# Altium PCB St1x.PcbDoc
Units mil, origin at the board's own origin, x right, y up, seen from the top; angles counter-clockwise.
Board outline 3429.13 x 452.76 mil, 4 copper layers (Top Layer 1, Mid 1, Mid 2, Bottom Layer 1), stack 38.573 mil thick; 83 components, 57 nets, 283 pads, 205 vias.
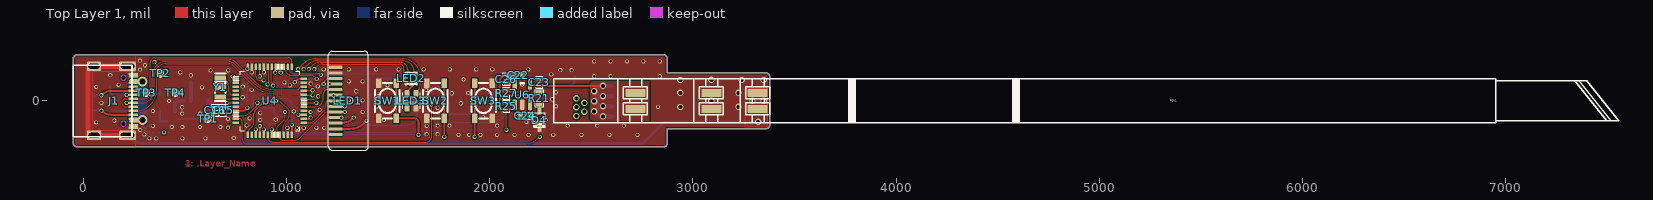
[diagram p0: Top Layer 1 view]
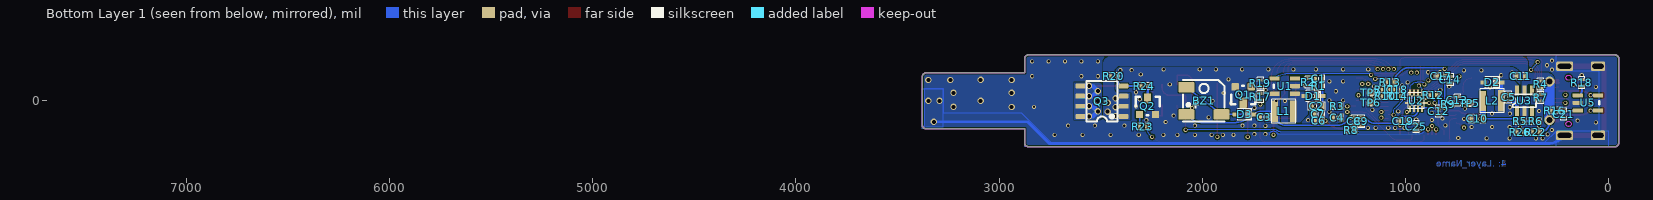
[diagram p1: Bottom Layer 1 view, seen from below]
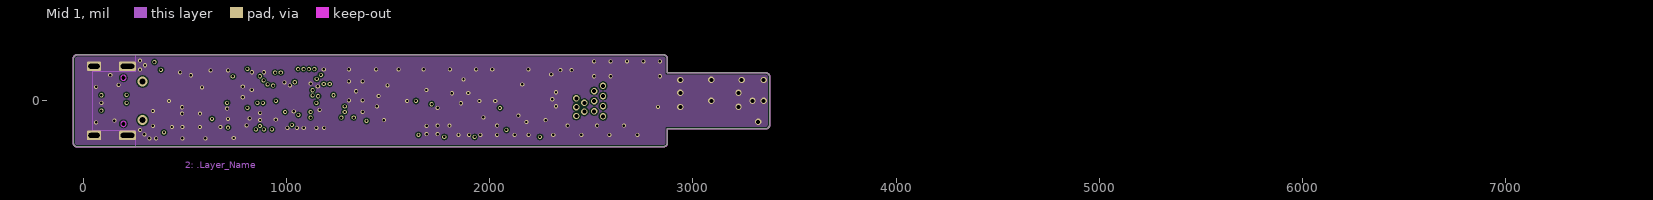
[diagram p2: Mid 1]
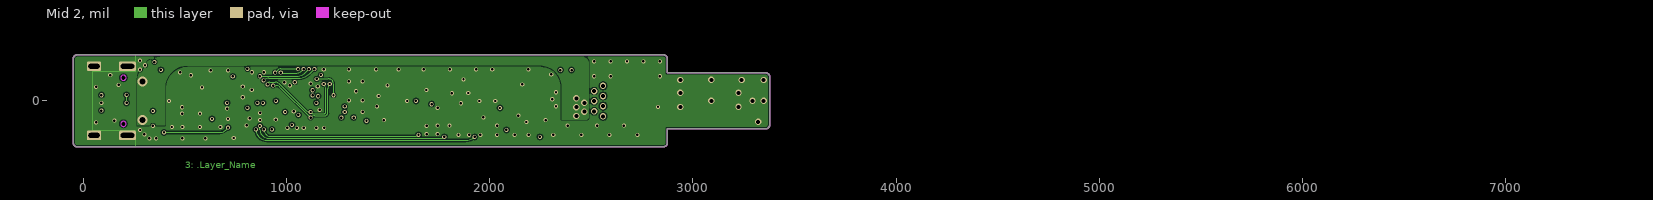
[diagram p3: Mid 2]

## Layer stack, top to bottom
Top Solder: solder mask 1, SM-001, Dk 4
Top Layer 1: signal copper 1.378
Dielectric 1: prepreg 8.2, PP-022, Dk 4.5
Mid 1: signal copper 0.7087
Dielectric1: core 18, Core-035, Dk 4.7
Mid 2: signal copper 0.7087
Dielectric 2: prepreg 8.2, PP-022, Dk 4.5
Bottom Layer 1: signal copper 1.378
Bottom Solder: solder mask 1, SM-001, Dk 4

## Board outline
-51.18,-206.69 ccw(c-31.5,-206.69) -31.5,-226.38 2854.33,-226.38 ccw(c2854.33,-206.69) 2874.02,-206.69 2874.02,-137.8 3358.27,-137.8 ccw(c3358.27,-118.11) 3377.95,-118.11 3377.95,118.11 ccw(c3358.27,118.11) 3358.27,137.8 2874.02,137.8 2874.02,206.69 ccw(c2854.33,206.69) 2854.33,226.38 -31.5,226.38 ccw(c-31.5,206.69) -51.18,206.69

## Design rules (kind name [scope] priority, off if disabled: settings)
Clearance [All] p1: gap=4 ignorepadtopadclearanceinfootprint=FALSE except(6: Arc-Fill Arc-Poly Arc-Region Track-Fill Track-Poly Track-Region SMDPad-Fill SMDPad-Poly SMDPad-Region THPad-Fill THPad-Poly THPad-Region Via-Fill Via-Poly Via-Region Fill-Fill Fill-Poly Fill-Region Poly-Poly Poly-Region Region-Region)
ComponentClearance TP-A [HasFootprint('TP_A')] p1: gap=0 collisioncheckmode=3 verticalgap=0 showdistances=FALSE
ComponentClearance [All] p2: gap=5 collisioncheckmode=3 verticalgap=10 showdistances=FALSE
DiffPairsRouting [All] p1: maxlimit=15 minlimit=4 mostfreqgap=15 toplayer_minwidth=4 toplayer_maxwidth=15 toplayer_prefwidth=8 midlayer1_minwidth=4 midlayer1_maxwidth=15 midlayer1_prefwidth=8 midlayer2_minwidth=4 midlayer2_maxwidth=15 midlayer2_prefwidth=8 bottomlayer_minwidth=4 bottomlayer_maxwidth=15 bottomlayer_prefwidth=8 maxuncoupledlength=500
HoleToHoleClearance [All] p1: gap=0 allowstackedmicrovias=TRUE
MinimumSolderMaskSliver [All] p1: minsoldermaskwidth=0
PlaneConnect [All] p1: planeconnectstyle=Direct reliefexpansion=20 reliefentries=4 reliefconductorwidth=10 reliefairgap=10
PolygonConnect [All] p1: connectstyle=Direct reliefconductorwidth=10 reliefentries=4 polygonreliefangle="90 Angle" airgapwidth=10
RoomDefinition St1x [InComponentClass('St1x')] p1: confinementstyle=ConfineIn formatcopy=TRUE lockcomponents=FALSE outline -57.09,-249.02 8466.54,-249.02 8466.54,249.02 -57.09,249.02
RoutingVias [All] p1: holewidth=28 width=50 viastyle="Through Hole" minholewidth=12 minwidth=20 maxholewidth=35 maxwidth=50
SilkToSilkClearance [All] p1: silktosilkclearance=0
SilkToSolderMaskClearance [All] p1: minsilkscreentomaskgap=0 clearancetoexposedcopper=TRUE
SolderMaskExpansion [All] p1: expansion=4 istentingtop=FALSE
SupplyNets "Schematic Supply Nets_4" [InNet('GND')] p1: voltage=0.000
SupplyNets "Schematic Supply Nets_3" [InNet('3V3')] p2: voltage=0.000
SupplyNets "Schematic Supply Nets_2" [InNet('9V159')] p3: voltage=0.000
SupplyNets "Schematic Supply Nets" [InNet('VUSB')] p4: voltage=0.000
Width [All] p1: maxlimit=50 minlimit=4 preferedwidth=10
23 further rules are at their usual default settings.

## Classes and differential pairs
differential pair class USB: D
differential pair D: +D_P -D_N

## Components (designator, comment, footprint, x,y, rotation, side; value= is the part's Value field where it differs from the comment)
BZ1 "BUZZER_5x5xH2" BUZ-SMD_GSC5025YA 1991.14,0 r180 bottom
C1 "33pF" C1U0402 1425.2,109.25 r180 bottom
C2 "22uF" CL0603 1436.02,-26.57 r180 bottom
C3 "4.7uF_35V" C4U0402 1693.9,-80.71 r180 bottom
C4 "2.2uF_16V" C4U0402 1335.63,-82.68 r0 bottom
C5 "100nF" C1U0402 491.14,17.72 r270 bottom
C6 "100nF" C1U0402 1425.2,-98.43 r0 bottom
C7 "2.2uF_16V" C4U0402 1427.17,-64.96 r0 bottom
C8 "100nF" C1U0402 1250,-99.41 r270 bottom
C9 "2.2uF_16V" C4U0402 1216.54,-101.38 r270 bottom
C10 "22uF" CL0603 645.67,-88.58 r180 bottom
C11 "4.7uF_35V" C4U0402 432.09,121.06 r180 bottom
C12 "100nF" C1U0402 834.65,-51.18 r270 bottom
C13 "100nF" C1U0402 743.11,2.95 r90 bottom
C14 "100nF" C1U0402 777.56,103.35 r270 bottom
C15 "100nF" C1U0402 687.01,-46.26 r90 top
C16 "10uF" C4U0402 647.64,-46.26 r270 top
C17 "100nF" C1U0402 822.83,120.08 r0 bottom
C18 "100nF" C1U0402 1039.37,55.12 r180 bottom
C19 "100nF" C1U0402 1008.86,-101.38 r180 bottom
C21 "1uF_35V" C1U0402 219.49,-64.96 r90 bottom
C22 "100nF" C1U0402 2139.76,125.98 r180 top
C23 "1uF_35V" C1U0402 2244.09,90.55 r90 top
C24 "2.2nF_50V" C4U0402 2175.2,-72.83 r180 top
C25 "10nF" C1U0402 945.87,-127.95 r90 bottom
C26 "10uF_16V" C4U0402 2081.69,107.28 r270 top
D1 "LRB551V-30T1G" SOD-323_AK 1451.77,23.62 r180 bottom
D2 "LRB551V-30T1G" SOD-323_AK 570.87,90.55 r180 bottom
D3 "LRB551V-30T1G" SOD-323_AK 1790.35,-66.93 r180 bottom
D4 "LRB551V-30T1G" SOD-323_AK 2244.09,-94.49 r270 top
J1 "TYPE-C_16P" TYPE-C_16P 218.5,0 r270 top locked
L1 "3015 4.7uH" INDC3015#1 1597.44,-51.18 r180 bottom
L2 "3015 4.7uH" INDC3015#2 572.83,0 r180 bottom
LED1 "SH1107" CON_13P_0.7mm-FPC 1204.72,0 r180 top locked
LED2 "DCS-C1615RGB-C01" RGB_DCS-C1615RGB-C01 1614.17,110.24 r90 top
LED3 "WS2812B-2020" LED_2020 1614.17,0 r90 top
PEN1 "IRON_PEN" T13 2314.96,0 r0 top
Q1 "SS8050 Y1" SOT-23_123 1798.23,29.53 r0 bottom
Q2 "SS8050 Y1" SOT-23_123 2268.7,-27.56 r180 bottom
Q3 "AO4485" SO-8M 2493.11,-1.97 r0 bottom locked
R1 "360K_1%" RN0402 1425.2,71.85 r0 bottom
R2 "56K_1%" RN0402 1476.38,92.52 r90 bottom
R3 "560k_1%" RN0402 1335.63,-27.56 r180 bottom
R4 "10K_1%" RN0402 333.66,80.71 r90 bottom
R5 "160K_1%" RN0402 434.06,-101.38 r180 bottom
R6 "51K_1%" RN0402 357.28,-101.38 r0 bottom
R7 "5.6K_1%" RN0402 333.66,15.75 r270 bottom
R8 "100R_1%" RN0402 1265.75,-144.68 r0 bottom
R9 "10K_1%" RN0402 789.37,-15.75 r180 bottom
R10 "1.5K" RN0402 1098.43,23.62 r0 bottom
R11 "1.5K" RN0402 1098.43,55.12 r0 bottom
R12 "4.7K_1%" RN0402 862.2,28.54 r180 bottom
R13 "4.7K_1%" RN0402 1072.83,91.54 r0 bottom
R14 "4.7K_1%" RN0402 1039.37,23.62 r0 bottom
R16 "4.7K_1%" RN0402 264.76,-48.23 r180 bottom
R17 "4.7K_1%" RN0402 1713.58,20.67 r90 bottom
R18 "0R" RN0402 130.91,88.58 r90 bottom
R19 "NC/TBD_K_5%_0201" RN0402 1713.58,85.63 r270 bottom
R20 "10K_1%" RN0402 2435.04,122.05 r0 bottom
R21 "10K_1%" RN0603 2244.09,12.8 r90 top
R22 "56K_1%" RN0402 357.28,-155.51 r180 bottom
R23 "4.7K_1%" RN0402 2291.34,-126.97 r0 bottom
R24 "4.7K_1%" RN0402 2285.43,72.83 r0 bottom
R25 "20K_1%" RN0402 2081.69,-27.56 r90 top
R26 "10K_1%" RN0402 434.06,-155.51 r180 bottom
R27 "100R_1%" RN0402 2081.69,37.4 r90 top
SW1 "MODE" KEY-SMD_4P-L4.2-W3.2-P2.20-LS5.1-TL 1496.06,0 r270 top
SW2 "UP" KEY-SMD_4P-L4.2-W3.2-P2.20-LS5.1-TL 1732.28,0 r270 top
SW3 "DOWN" KEY-SMD_4P-L4.2-W3.2-P2.20-LS5.1-TL 1968.5,0 r90 top
TP1 "VCC" SMD0808 610.24,-88.58 r0 top
TP2 "SWDIO" SMD0808 376.97,134.84 r0 top
TP3 "SWCLK" SMD0808 307.09,40.35 r0 top
TP4 "GND" SMD0808 450.79,40.35 r0 top
TP5 "RES" SMD0808 683.07,-11.81 r0 bottom
TP6 "TX" SMD0808 1169.29,-9.84 r180 bottom
TP7 "RX" SMD0808 1169.29,39.37 r180 bottom
U1 "TPS61040DBVRG4" SOT23-5 1593.5,71.85 r270 bottom
U2 "LIS2DW12" LGA12_20X20X07 946.85,0 r270 bottom
U3 "MP2451DT-LF-Z" SOT23-6 413.39,0 r0 bottom
U4 "STM32F103CBT6" LQFP48-7X7MM 917.32,0 r0 top locked
U5 "FS312A_SOT23" SOT23-5 100.39,-9.84 r90 bottom
U6 "OPA333AIDCKT" SOT23-5 2159.45,30.51 r180 top
Y1 "CSTNE8M00GH5C000R0" OSC-SMD_3P-L3.2-W1.3-P1.20-L 672.24,65.94 r270 top value=8MHz

## Footprints (in the part's own frame and the unit in brackets; to place one, negate y for a bottom-side part, rotate by r counter-clockwise, add the part's x,y. Pads: shape width x height; smd on the part's side, far side on the other; paste and mask are expansions set on the pad)
BUZ-SMD_GSC5025YA [mm]
  rrect20% 2x1.3 smd mask+0.051: 1(-2.2,-1.7) 2(2.2,-1.7) 3(-2.2,1.7)
  silkscreen extent -2.6,-2.6 2.6,2.6, body extent -2.6,-2.6 2.6,2.6, height 2.01
C1U0402 [mm] "100nF~1uF"
  rrect20% 0.4x0.55 smd mask+0.01: 1(-0.425,0) 2(0.425,0)
  silkscreen extent -0.75,-0.4 0.75,0.4, body extent -0.53,-0.28 0.52,0.27, height 0.55
C4U0402 [mm] "4.7uF~10uF"
  rrect20% 0.4x0.7 smd mask+0.01: 1(-0.475,0) 2(0.475,0)
  silkscreen extent -0.77,-0.45 0.77,0.45, body extent -0.6,-0.35 0.6,0.35, height 0.65
CL0603 [mm]
  rrect20% 0.5x0.8 smd mask+0.02: 1(-0.7,0) 2(0.7,0)
  silkscreen extent -1.07,-0.53 1.07,0.53, body extent -0.8,-0.4 0.8,0.4, height 0.9
CON_13P_0.7mm-FPC [mm]
  rrect20% 1.8x0.38 smd mask+0: 1(-0.9,4.2) 2(-0.9,3.5) 3(-0.9,2.8) 4(-0.9,2.1) 5(-0.9,1.4) 6(-0.9,0.7) 8(-0.9,-0.7) 11(-0.9,-2.8) 12(-0.9,-3.5) 13(-0.9,-4.2)
  oval 1.8x0.38 smd mask+0: 7(-0.9,0) 9(-0.9,-1.4) 10(-0.9,-2.1)
  round 0.9 on Top Overlay mask+0: 14(-4,5.2) 15(-4,-5.2)
  silkscreen extent -5,-6.2 0,6.2, body extent -4.45,-5.65 0,5.65, height 0.03
INDC3015#1 [mm] "Chip Inductor, 2-Leads, Body 3.00x1.50mm, IPC Medium Density"
  rrect10% 0.8x2.7 smd mask+0.05: 1(-1.15,0) 2(1.15,0)
  silkscreen extent -1.5,-1.5 1.5,1.5, body extent -1.5,-1.5 1.5,1.5, height 1.45
INDC3015#2 [mm] "Chip Inductor, 2-Leads, Body 3.00x1.50mm, IPC Medium Density"
  rrect10% 0.8x2.5 smd mask+0.05: 1(-1.15,0)
  rrect10% 0.8x2.7 smd mask+0.05: 2(1.15,0)
  silkscreen extent -1.5,-1.5 1.5,1.5, body extent -1.5,-1.5 1.5,1.5, height 1.45
KEY-SMD_4P-L4.2-W3.2-P2.20-LS5.1-TL [mil]
  rrect20% 47.2x25.6 smd mask+2: 1(-86.6,43.3) 2(86.6,43.3) 3(-86.6,-43.3) 4(86.6,-43.3)
  silkscreen extent -87,-61 87,60, body extent -100,-63 100,63, height 99
LED_2020 [mm]
  rrect50% 0.9x0.6 smd paste+0 mask+0.051: 1(-0.915,0.55) 2(-0.915,-0.55) 3(0.915,-0.55) 4(0.915,0.55)
  silkscreen extent -1,-1.1 1,1.1, body extent -1,-1 1,1, height 0.84
LGA12_20X20X07 [mm] "LGA, 16-Leads, Body 2.00x2.00mmx0.70mm, Pitch 0.50mm"
  rrect30% 0.8x0.25 smd mask+0.02: 1(-1,0.75) 2(-1,0.25) 3(-1,-0.25) 4(-1,-0.75) 8(1,-0.25) 9(1,0.25) 10(1,0.75)
  rrect20% 0.25x0.8 on Bottom Overlay mask+0.02: 5(-0.25,-1)
  rrect20% 0.25x0.8 smd mask+0.02: 6(0.25,-1) 11(0.25,1)
  rrect50% 0.8x0.25 smd mask+0.02: 7(1,-0.75)
  rrect80% 0.25x0.8 smd mask+0.02: 12(-0.25,1)
  silkscreen extent -1,-1 1,1, body extent -1,-1 1,1, height 0.7
LQFP48-7X7MM [mil]
  rrect20% 32x12 smd paste+0 mask+1: 1(-167.32,108.27) 2(-167.32,88.58) 3(-167.32,68.9) 4(-167.32,49.21) 5(-167.32,29.53) 6(-167.32,9.84) 7(-167.32,-9.84) 8(-167.32,-29.53) 9(-167.32,-49.21) 10(-167.32,-68.9) 11(-167.32,-88.58) 12(-167.32,-108.27) 25(167.32,-108.27) 26(167.32,-88.58) 27(167.32,-68.9) 28(167.32,-49.21) 29(167.32,-29.53) 30(167.32,-9.84) 31(167.32,9.84) 32(167.32,29.53) 33(167.32,49.21) 34(167.32,68.9) 35(167.32,88.58) 36(167.32,108.27)
  rrect20% 12x32 smd paste+0 mask+1: 13(-108.27,-167.32) 14(-88.58,-167.32) 15(-68.9,-167.32) 16(-49.21,-167.32) 17(-29.53,-167.32) 18(-9.84,-167.32) 19(9.84,-167.32) 20(29.53,-167.32) 21(49.21,-167.32) 22(68.9,-167.32) 23(88.58,-167.32) 24(108.27,-167.32) 37(108.27,167.32) 41(29.53,167.32) 42(9.84,167.32) 43(-9.84,167.32) 44(-29.53,167.32) 45(-49.21,167.32) 46(-68.9,167.32) 47(-88.58,167.32) 48(-108.27,167.32)
  oval 12x32 smd paste+0 mask+1: 38(88.58,167.32) 39(68.9,167.32) 40(49.21,167.32)
  silkscreen extent -180,-180 180,180, body extent -177,-177 177,177, height 63
OSC-SMD_3P-L3.2-W1.3-P1.20-L [mil]
  rrect20% 23.6x55.1 smd mask+1: 1(-47.2,0) 2(0,0) 3(47.2,0)
  silkscreen extent -68,-26 68,26, body extent -63,-26 63,26, height 28
RGB_DCS-C1615RGB-C01 [mm] "RGB顶发光_IMAX: 25mA"
  rrect20% 0.45x0.65 smd mask+0.025: A(-0.625,-0.425) BC(0.625,-0.425) GC(0.625,0.425) RC(-0.625,0.425)
  silkscreen extent -0.8,-0.75 0.8,0.75, body extent -0.8,-0.75 0.8,0.75, height 0.6
RN0402 [mm]
  rrect20% 0.4x0.55 smd mask+0.01: 1(-0.425,0) 2(0.425,0)
  silkscreen extent -0.75,-0.4 0.75,0.4, body extent -0.58,-0.28 0.58,0.28, height 0.41
RN0603 [mm]
  rrect20% 0.5x0.8 smd mask+0.02: 1(-0.7,0) 2(0.7,0)
  silkscreen extent -1.07,-0.53 1.07,0.53, body extent -0.85,-0.4 0.85,0.4, height 0.56
SMD0808 [mm]
  round 0.8 smd mask+0: 1(0,0)
  silkscreen extent -0.45,-0.45 0.45,0.45, body extent -0.4,-0.4 0.4,0.4, height 0.05
SO-8M [mm]
  rrect30% 1.2x0.6 smd mask+0: 1(-2.7,1.9) 2(-2.7,0.635) 3(-2.7,-0.635) 4(-2.7,-1.905) 5(2.7,-1.905) 6(2.7,-0.635) 7(2.7,0.635) 8(2.7,1.905)
  silkscreen extent -1.95,-2.54 1.95,2.54, body extent -3.02,-2.51 3.02,2.51, height 1.6
SOD-323_AK [mm]
  rrect20% 0.8x0.5 smd mask+0.025: A(-1.1,0) K(1.1,0)
  silkscreen extent -0.9,-0.7 0.9,0.7, body extent -1.3,-0.67 1.3,0.67, height 1.1
SOT23-5 [mil]
  rrect20% 20x50 smd mask+0.79: 1(37.01,50) 2(0,50) 3(-37.99,50) 4(-37.99,-50) 5(37.01,-50)
  silkscreen extent -8,-55 7,-55, body extent -59,-55 59,55, height 51
SOT23-6 [mil]
  rrect20% 20x50 smd mask+0.79: 1(37.01,50) 2(0,50) 3(-37.99,50) 4(-37.99,-50) 5(0,-50) 6(37.01,-50)
  silkscreen extent -57,-31 57,31, body extent -57,-55 57,57, height 49
SOT-23_123 [mil] "PIN123"
  rrect20% 36x36 smd mask+0.79: 1(-39.37,-39.37) 2(39.37,-39.37)
  rrect20% 36x50 smd mask+0.79: 3(0,39.37)
  silkscreen extent -59,-44 59,47, body extent -59,-56 59,62, height 51
T13 [mm]
  rrect20% 2.5x1 smd mask+0.025: 1(10.2,-1.005) 1(10.2,0.995) 2(19.7,-1.005) 2(19.7,0.995) 3(25.5,-1.005) 3(25.5,0.995)
  silkscreen extent 0,-2.75 133.17,2.75, body extent 0,-3.05 133.15,3.05, height 6.68
TYPE-C_16P [mm] "TYPE-C母座16PIN"
  rrect30% 0.3x1.2 smd mask+0.03: A1(-3.35,0.65) A5(-1.25,0.65) A6(-0.25,0.65) A7(0.25,0.65) A8(1.25,0.65) A12(3.35,0.65) B5(1.75,0.65) B6(0.75,0.65) B7(-0.75,0.65) B8(-1.75,0.65)
  oval 0.3x1.1 smd mask+0.03: A4(-2.55,0.7) A9(2.55,0.7)
  rrect30% 1.2x2.1 hole 0.6 slot 1.7 at 90 deg mask+0.03: A13(-4.32,-0.07) B13(4.32,-0.07)
  rrect30% 1.2x1.8 hole 0.6 slot 1.4 at 90 deg mask+0.03: A13(-4.32,-4.25) B13(4.32,-4.25)
  rrect30% 0.3x1.1 smd mask+0.03: B1(3.05,0.7) B12(-3.05,0.7)
  oval 0.3x1.2 smd mask+0.03: B4(2.25,0.65) B9(-2.25,0.65)
  Keep-Out Layer board cut-out: -2.565,-0.57 -2.59,-0.446 -2.66,-0.34 -2.766,-0.27 -2.89,-0.245 -2.89,-0.245 -3.014,-0.27 -3.12,-0.34 -3.19,-0.446 -3.215,-0.57 -3.215,-0.57 -3.19,-0.694 -3.12,-0.8 -3.014,-0.87 -2.89,-0.895 -2.89,-0.895 -2.766,-0.87 -2.66,-0.8 -2.59,-0.694 -2.565,-0.57
  Keep-Out Layer board cut-out: 3.215,-0.57 3.19,-0.446 3.12,-0.34 3.014,-0.27 2.89,-0.245 2.89,-0.245 2.766,-0.27 2.66,-0.34 2.59,-0.446 2.565,-0.57 2.565,-0.57 2.59,-0.694 2.66,-0.8 2.766,-0.87 2.89,-0.895 2.89,-0.895 3.014,-0.87 3.12,-0.8 3.19,-0.694 3.215,-0.57
  Keep-Out Layer circle w0.102: c2.89,-0.57 r0.325
  Keep-Out Layer circle w0.102: c-2.89,-0.57 r0.325
  silkscreen extent -4.47,-6.85 4.47,0.5, body extent -4.47,-6.85 4.47,0.73, height 3.25

## Part data
BZ1: library part BZ, "电磁无源蜂鸣器(外部驱动)"
C1 C2 C3 C4 C5 C6 C7 C8 C9 C10 C11 C12 C13 C14 C15 C16 C17 C18 C19 C21 C22 C23 C24 C25 C26: library part CAP_NP, "贴片电容"
D1 D2 D3 D4: library part DIODE, "肖特基二极管"
J1: library part TYPE-C_RI, "TYPE-C母座"
L1 L2: library part INDUCTOR_2, "功率电感"
LED1: "QG-2880TSWKG01", Package=None, Availability=Unavailable, MF="{'manufacturer': u'Texas Instruments'}", MP=LP2985AIM5-5.0, Price=None
LED2: library part LED_RGBS, "红绿蓝三色发光二极管"
LED3: library part YO-WS2812B-3528反贴, Manufacturer=null, Manufacturer Part=Yo-WS2812B-3528反贴雾状, Add into BOM=yes, Convert to PCB=yes, Device=YO-WS2812B-3528反贴, Name=Yo-WS2812B-3528反贴雾状, Supplier=LCSC, Supplier Part=C9900003682, Symbol=YO-WS2812B-3528反贴
Q1 Q2: library part NPN, "NPN三极管"
Q3: "P沟道 40V 10A"
R1 R2 R3 R4 R5 R6 R7 R8 R9 R10 R11 R12 R13 R14 R16 R17 R18 R19 R20 R21 R22 R23 R24 R25 R26 R27: library part ResSemi_3, "贴片电阻"
SW1 SW2 SW3: library part "SW PUSHBUTTON", "轻触开关"
TP1 TP2 TP3 TP4 TP5 TP6 TP7: library part TEST
U1: library part TPS61040DBVRG4_[C7722], "DC-DC芯片", Package=SOT-23-5, SuppliersPartNumber=C7722, ComponentLink1Description=供应商链接, ComponentLink1URL=http://www.szlcsc.com/product/details_8199.html, Supplier=LC
U3: Package=None, Availability=Unavailable, MF="{'manufacturer': u'Texas Instruments'}", MP=LP2985AIM5-5.0, Price=None
U4: "No Description Available", Mfr_Name=STMicroelectronics, Copyright="Copyright (C) 2023 Ultra Librarian. All rights reserved.", Manufacturer_Part_Number=STM32F103CBT6, RefDes=RefDes, Type=DEV
U5: library part FS312A, "USB Type-C PD快充协议智能触发芯片"
U6: library part OPA333_SOT23
Y1: "频率:8MHz;频率容差:±0.07%;内藏负载电容:33pF;谐振阻抗:40Ω;", Built-in Load Capacitance=33pF, Frequency Stability=±0.13%, Frequency Tolerance=±0.07%, LCSC Part Name="8MHz ±0.07% 33pF", Manufacturer=muRata(村田), Operating Temperature=-40~+125, Add into BOM=yes, Convert to PCB=yes, Datasheet=https://atta.szlcsc.com/upload/public/pdf/source/20181211/C341525_832BA077079E4863A5153C1DB98581D5.pdf, Device=CSTNE8M00GH5C000R0, Manufacturer Part=CSTNE8M00GH5C000R0, NUMBER=3, Pin Type=IN, Resonant Impedance=40Ω, Supplier=LCSC, Supplier Footprint=SMD3213-3P, Supplier Part=C341525, Symbol=CSTNE8M00GH5C000R0
U2: PCB DECAL=LIS2DW12

## Via types
v1: diameter 20, hole 12, Top Layer 1 to Bottom Layer 1, tented both sides, 179 vias
v2: diameter 31.5, hole 19.68, Top Layer 1 to Bottom Layer 1, tented both sides, 24 vias
v3: diameter 50, hole 30, Top Layer 1 to Bottom Layer 1, tented both sides, 2 vias

## Nets (pads, with @x,y where several pads share a name; then routed paths per layer and width w, separated by ;. In a path a pad name is that pad's centre, name@x,y a point inside that pad or via, vN(x,y) a via of type N, cw(c..) or ccw(c..) an arc to the next point about the centre after c; other vN are vias at no path point)
3V3: BZ1.1 C3.2 C8.1 C9.1 C10.2 C12.1 C14.1 C15.1 C16.2 C17.1 C18.1 C19.1 C22.2 C26.1 D3.K L1.1 L2.1 LED1.4 LED2.A LED3.4 R5.1 R9.1 R10.1 R11.1 R12.2 R13.1 R14.2 TP1.1 U1.5 U2.9 U2.10 U4.1 U4.9 U4.24 U4.36 U4.48 U6.5 | length 3192.4
  Top Layer 1 w8: v1(631.89,-88.58) 631.89,-78.74 cw(c647.64,-78.74) 647.64,-62.99 C15.1 708.76,-62.99 ccw(c708.76,-39.47) 725.37,-56.12 cw(c742.03,-72.74) 742.03,-49.21 U4.9 780.9,-49.21 ccw(c780.9,-24.01) 798.72,-41.83 v1(806.1,-34.45) ; U4.24 v1(1025.59,-118.11) ; v1(1039.37,91.54) 1047.74,99.9 cw(c1067.93,79.7) 1067.93,108.27 U4.36 ; LED2.A 1600.45,55.17 ccw(c1619.6,36.02) LED3.4 1623.39,5.15 ccw(c1635.83,17.58) v1(1635.83,0) ; v1(2049.21,-35.43) 2049.21,96.46 cw(c2078.74,96.46) 2078.74,125.98 C26.1 C22.2@2122.44,125.98 ; U6.5 C22.2@2122.44,125.98 ; C22.2 C22.2@2122.44,125.98
  Bottom Layer 1 w8: R5.1 cw(c481.68,-132.27) 481.68,-88.58 C10.2 ; v1(734.25,120.08) C14.1 C17.1 ; R12.2 ccw(c845.47,17.72) 834.65,17.72 C12.1 ; 1023.3,145.99 1040.79,128.5 ; 1023.28,146.01 ccw(c981.3,103.98) 981.3,163.39 812.01,163.39 ccw(c812.01,157.48) v1(806.1,157.48) C17.1 ; v1(1025.59,-118.11) C19.1@1025.59,-110.24 ; v1(1039.37,91.54) R13.1@1055.12,91.54 ; 1040.81,128.48 cw(c1003.83,91.54) R13.1 C18.1 R14.2 R10.1 R11.1 ; C9.1 ccw(c1216.54,-127.82) 1184.61,-95.9 1182.09,-98.43 cw(c1153.57,-69.91) 1153.57,-110.24 C19.1@1025.59,-110.24 ; C9.1@1218.5,-82.68 C8.1 v1(1268.7,-82.68) 1287.4,-101.38 ccw(c1332.55,-56.23) 1332.55,-120.08 1589.57,-120.08 ccw(c1589.57,-66.93) 1642.72,-66.93 L1.1 1709.03,-51.18 cw(c1709.03,-104.95) 1747.02,-66.9 ccw(c1844.47,30.49) 1844.47,-107.28 1995.98,-107.28 ccw(c1995.98,-7.28) 2066.69,-77.99 BZ1.1 cw(c2077.76,-38.39) 2049.21,-38.39 v1(2049.21,-35.43) ; C17.1 R9.1 v1(806.1,-34.45) C12.1 ; C12.1 917.32,-34.45 937.01,-34.45 937.01,-45.28 ccw(c967.52,-45.28) 967.52,-75.79 1012.8,-75.79 cw(c1012.8,-88.58) 1025.59,-88.58 C19.1 C19.1@1025.59,-110.24
  Bottom Layer 1 w30: C10.2 L2.1
9V159: C1.2 C2.2 C6.1 C7.1 D1.K LED1.2 R1.1 | length 388
  Top Layer 1 w10: LED1.2 1311.92,-137.8 ccw(c1311.92,-37.8) 1382.64,-108.51 v1(1392.72,-98.43)
  Bottom Layer 1 w10: v1(1392.72,-98.43) C6.1 C7.1 D1.K R1.1 C1.2
ADC1: R22.1 R26.2 U4.12 | length 414
  Top Layer 1 w6: v1(710.63,-131.89) 724.41,-118.11 ; 724.43,-118.09 cw(c748.17,-141.87) 748.17,-108.27 U4.12
  Mid 2 w6: v1(395.67,-155.51) 670.3,-155.51 ccw(c670.3,-115.19) 698.82,-143.7 v1(710.63,-131.89)
  Bottom Layer 1 w10: R22.1 v1(395.67,-155.51) R26.2
ADC2: C25.1 R8.1 U4.19 | length 354.2
  Top Layer 1 w6: U4.19 v1(927.17,-140.75)
  Bottom Layer 1 w5: v1(927.17,-140.75) ccw(c958.17,-109.74) 958.17,-153.59 1227.52,-153.59 ccw(c1227.52,-123.18) R8.1
BL: U1.4 U4.38 | length 666.4
  Top Layer 1 w5: U4.38 ccw(c1039.23,167.32) 1039.23,134 1153.71,134 cw(c1153.71,113.35) v1(1168.31,127.95)
  Bottom Layer 1 w5: v1(1168.31,127.95) 1173.23,132.87 1587.9,132.87 cw(c1587.9,54.24) U1.4
CC1: J1.A5 U5.5 | length 199.7
  Top Layer 1 w10: v1(87.6,27.56) cw(c139.87,-24.72) 139.87,49.21 J1.A5
  Bottom Layer 1 w10: U5.5 87.2,27.17 v1(87.6,27.56)
CC2: J1.B5 U5.4 | length 199.4
  Top Layer 1 w10: v1(87.6,-48.23) ccw(c137.5,1.67) 137.5,-68.9 J1.B5
  Bottom Layer 1 w10: U5.4 87.2,-47.83 v1(87.6,-48.23)
D_N: J1.A7 J1.B7 R10.2 U4.32 | length 1150.1
  Top Layer 1 w6: v1(211.61,-9.84) J1.A7 285.61,-9.84 ccw(c285.61,52.15) 347.6,52.15 347.6,125.02 cw(c404.67,125.02) 404.67,182.09 715.61,182.09 cw(c715.61,154.58) 735.04,174.04 823.45,85.64 ccw(c947.41,209.6) 947.41,34.29 1073.15,34.29 cw(c1073.15,18.03) U4.32 ccw(c1091.77,36.66) 1091.77,26.57 v1(1126.97,26.57)
  Mid 2 w6: v1(211.61,-9.84) v1(211.61,29.53)
D_P: J1.A6 J1.B6 R11.2 U4.33 | length 1206.5
  Top Layer 1 w6: J1.B6 204.72,-29.53 cw(c204.72,-15.75) 190.94,-15.75 190.94,-4.92 cw(c205.71,-4.92) 205.71,9.84 J1.A6 295.25,9.84 ccw(c295.25,52.19) 337.6,52.19 337.6,125.79 cw(c403.89,125.79) 403.89,192.09 716.67,192.09 cw(c716.67,155.65) 742.44,181.41 830.83,93.02 ccw(c948.47,210.66) 948.47,44.29 1072.76,44.29 ccw(c1072.76,61.09) U4.33 cw(c1091.77,42.08) 1091.77,52.17 v1(1126.97,52.17)
G_CS: U2.2 U4.22 | length 254.8
  Top Layer 1 w5: v1(946.85,0) cw(c946.85,-45.15) 978.76,-13.21 1005.41,-39.86 cw(c989.97,-55.31) 1011.81,-55.31 1011.81,-72.93 cw(c988.29,-72.93) 1004.93,-89.56 994.09,-100.39 ccw(c1020.23,-126.53) 983.27,-126.53 983.27,-164.37 U4.22
  Bottom Layer 1 w5: U2.2 937.01,23.76 ccw(c970.61,23.76) v1(946.85,0)
G_RES: U2.7 U4.20 | length 157.7
  Top Layer 1 w5: U4.20 946.85,-147.71 cw(c982.66,-147.71) 957.34,-122.38 984.74,-94.98 ccw(c966.92,-77.16) 992.13,-77.16 v1(992.13,-55.12)
  Bottom Layer 1 w5: U2.7 976.38,-50.2 ccw(c981.3,-50.2) 981.3,-55.12 v1(992.13,-55.12)
GND: C2.1 C3.1 C4.2 C6.2 C7.2 C8.2 C9.2 C10.1 C11.1 C12.2 C13.2 C14.2 C15.2 C16.1 C17.2 C18.2 C19.2 C21.1 C22.1 C23.2 C24.2 C25.2 C26.2 D2.A D4.K J1.A1 J1.A12 J1.A13 J1.B1 J1.B12 J1.B13 LED1.12 LED3.2 PEN1.2 PEN1.3 Q1.2 Q2.2 R2.1 R3.1 R6.1 R7.2 R18.2 R19.1 R26.1 R27.2 SW1.3 SW1.4 SW2.3 SW2.4 SW3.3 SW3.4 TP4.1 U1.2 U2.6 U2.8 U3.2 U4.8 U4.23 U4.35 U4.44 U4.47 U5.2 U6.2 Y1.2 | length 4744
  Top Layer 1 w25: J1.B13@215.75,-170.08 51.18,-170.08 20.5,-170.08 20.5,170.08 51.18,170.08 J1.A13@215.75,170.08
  Bottom Layer 1 w6: C25.2 928.64,-111.22 ccw(c928.64,-132.38) 907.48,-132.38 907.48,-140.75 ccw(c931.1,-140.75) 931.1,-164.37 1629.92,-164.37 cw(c1648.62,-167.32) 1667.55,-167.32
  Bottom Layer 1 w14: J1.B13@215.75,-170.08 227.01,-181.34 ccw(c297.72,-110.63) 297.72,-210.63 2752.95,-210.63 2860.24,-103.35 v2(3320.87,-103.35)
  other v1: 323.82,-185.04 357.28,-185.04 486.22,-185.04 599.41,-185.04 739.17,-183.07 1845.47,-167.32 1897.64,-167.32 1953.74,-167.32 2035.76,-167.32 2121.72,-167.32 2190.94,-167.32 2312.01,-167.32 2450.13,-167.32 2588.25,-167.32 2726.38,-167.32 299.21,-165.35 1688.98,-164.37 1743.11,-164.37 278.54,-143.7 1002.95,-132.87 1050.2,-132.87 1083.66,-132.87 1145.67,-132.87 1184.06,-132.87 434.06,-128.94 486.22,-128.94 571.85,-128.94 673.23,-128.94 340.55,-123.03 1688.98,-123.03 1743.11,-122.05 1801.18,-122.05 2035.43,-122.05 2382.87,-122.05 2528.54,-122.05 2659.45,-122.05 802.17,-121.06 61.02,-106.3 2180.12,-104.33 151.57,-97.44 1478.35,-95.47 2274.61,-95.47 869.09,-94.49 945.87,-92.52 710.63,-88.58 816.93,-86.61 1968.5,-81.69 2140.75,-72.83 485.24,-62.99 572.83,-62.99 869.09,-59.06 1374.02,-54.13 1034.45,-52.17 340.55,-50.2 1161.42,-44.29 706.69,-38.39 1743.11,-34.45 485.24,-31.5 2827.76,-29.53 1443.9,-27.56 2325.79,-26.57 1857.28,-11.81 87.6,-9.84 420.28,-0.98 1592.52,-0.98 1948.82,-0.98 2026.57,-0.98 1306.1,1.97 1374.02,1.97 2307.09,7.87 783.46,17.72 1452.76,23.62 1812.99,37.4 1893.7,38.39 2325.79,42.32 1341.54,47.24 1687.01,53.15 827.76,54.13 582.68,65.94 61.02,68.9 783.46,69.88 1152.56,70.87 1015.75,75.79 1496.06,75.79 172.24,78.74 2159.45,80.71 1117.13,84.65 988.19,90.55 1306.1,95.47 1374.02,95.47 1870.08,105.32 2513.78,121.06 2594.49,121.06 2836.61,121.06 527.56,125.98 130.91,126.97 2302.17,129.92 475.39,139.76 828.74,140.75 887.8,140.75 625,149.61 711.61,149.61 2347.44,151.57 2402.56,151.57 277.56,153.54 1182.09,154.53 1306.1,154.53 1439.96,154.53 1551.18,154.53 1674.21,154.53 1803.15,154.53 1932.09,154.53 2011.81,154.53 2189.96,154.53 302.17,175.2 2513.78,193.9 2594.49,193.9 2675.2,193.9 2755.91,193.9 2836.61,193.9 277.56,197.83
  other v2: 2937.99,-30.51 3224.41,-29.53 3090.55,0 3293.31,0 3348.43,0 2937.99,39.37 3224.41,39.37 2937.99,102.36 3240.16,102.36 3348.43,102.36 3090.55,103.35
INT1: U2.12 U4.10 | length 202.2
  Top Layer 1 w6: U4.10 ccw(c759.5,-59.39) 759.5,-72.83 781.76,-72.83 ccw(c781.76,-18.83) 819.95,-57.02 846.96,-30.01 ccw(c826.8,-9.84) v1(855.32,-9.84)
  Bottom Layer 1 w6: v1(855.32,-9.84) 855.32,-2.95 cw(c868.11,-2.95) 868.11,9.84 U2.12
INT2: U2.11 U4.13 | length 214.6
  Top Layer 1 w6: U4.13 809.06,-155.01 cw(c829.22,-155.01) 814.96,-140.75 831.62,-124.09 ccw(c814.82,-107.28) 838.58,-107.28 838.58,-64.57 cw(c863.79,-64.57) 845.94,-46.77 ; 845.96,-46.75 v1(882.87,-9.84)
  Bottom Layer 1 w6: v1(882.87,-9.84) U2.11 U2.11@912.4,-9.84
KEY_DOWN: SW3.1 SW3.2 U4.15 | length 1402.7
  Top Layer 1 w8: U4.15 v1(848.43,-140.75) ; v1(1925.2,-177.17) SW3.1 SW3.2
  Mid 2 w5: v1(848.43,-140.75) ccw(c902.56,-140.75) 902.56,-194.88 1882.43,-194.88 ccw(c1882.43,-134.39) v1@1925.18,-177.18
KEY_MODE: SW2.1 SW2.2 U4.16 | length 1259
  Top Layer 1 w8: U4.16 v1(868.11,-124.02) ; v1(1775.59,-177.17) SW2.1
  Mid 2 w5: v1(868.11,-124.02) 868.11,-141.45 ccw(c911.7,-141.45) 911.7,-185.04 1756.58,-185.04 ccw(c1756.58,-158.16) v1(1775.59,-177.17)
KEY_UP: SW1.1 SW1.2 U4.17 | length 1164.3
  Top Layer 1 w8: U4.17 v1(887.8,-140.75) ; SW1.1 SW1.2 1629.91,-86.6 cw(c1629.91,-105.31) 1648.62,-105.31 v1(1648.62,-167.32)
  Mid 2 w5: v1(887.8,-140.75) ccw(c922.24,-140.75) 922.24,-175.2 1629.61,-175.2 ccw(c1629.61,-148.31) v1(1648.62,-167.32)
LED_BLUE: LED2.BC U4.40 | length 748.5
  Top Layer 1 w5: U4.40 966.54,142.72 v1(970.47,138.78) ; v1(1082.68,156.5) 1103.49,177.31 cw(c1153.73,127.06) 1153.73,198.12 1567.63,198.12 cw(c1567.63,134.84) LED2.BC
  Mid 2 w5: v1(970.47,138.78) 972.44,136.81 1050.2,136.81 ccw(c1050.2,167.7) 1072.04,145.86 v1(1082.68,156.5)
LED_GREEN: LED2.RC U4.46 | length 910.6
  Top Layer 1 w5: v1(1135.83,156.5) 1147.64,168.31 cw(c1176.15,139.79) 1176.15,180.12 1557.09,180.12 cw(c1557.09,161.42) 1575.79,161.42 1575.79,107.28 ccw(c1597.44,107.28) LED2.RC
  Top Layer 1 w6: U4.46 848.43,121.06 ccw(c869.09,121.06) 869.09,100.39 v1(885.83,100.39)
  Mid 2 w5: v1(885.83,100.39) cw(c911.97,74.26) 911.97,111.22 1058.54,111.22 ccw(c1058.54,188.51) 1113.19,133.86 v1(1135.83,156.5)
LED_RED: LED2.GC U4.45 | length 835.8
  Top Layer 1 w5: v1(868.11,121.06) U4.45 ; v1(1109.25,156.5) 1125.56,172.81 ; 1125.59,172.84 cw(c1164.94,133.43) 1164.94,189.12 1557.21,189.12 cw(c1557.21,148.89) 1597.44,148.89 LED2.GC
  Mid 2 w5: v1(868.11,121.06) 1048.76,121.06 ccw(c1048.76,181.55) 1091.54,138.78 v1(1109.25,156.5)
LED_RGB: LED3.3 U4.41 | length 908.6
  Top Layer 1 w5: v1(942.91,138.78) 946.85,142.72 U4.41 ; v1(1056.1,156.5) 1081.41,181.81 cw(c1142.52,120.7) 1142.52,207.12 1568.43,207.12 cw(c1568.43,117.08) 1658.46,117.08 1658.46,90.67 cw(c1581.18,90.67) LED3.3
  Mid 2 w5: v1(942.91,138.78) 955.35,151.22 ; 955.36,151.23 cw(c970.47,136.09) 970.47,157.48 1053.73,157.48 cw(c1053.73,154.12) v1(1056.1,156.5)
NetBZ1_2: BZ1.2 BZ1.3 D3.A Q1.3 | length 375.1
  Bottom Layer 1 w8: Q1.3 1798.23,-50.2 ccw(c1814.96,-50.2) 1814.96,-66.93 D3.A BZ1.2 BZ1.3
NetC1_1: C1.1 R1.2 R2.2 U1.3 | length 139.6
  Bottom Layer 1 w8: R1.2 C1.1 1441.93,109.84 U1.3
NetC4_1: C4.1 LED1.3 | length 96.9
  Top Layer 1 w10: LED1.3 1263.19,-110.24 ccw(c1263.19,-16.14) v1(1329.72,-82.68)
NetC5_1: C5.1 D2.K L2.2 U3.6 | length 90.6
  Bottom Layer 1 w20: L2.2 527.56,18.7 D2.K
NetC5_2: C5.2 U3.1 | length 82.8
  Bottom Layer 1 w20: U3.1 450.39,-17.13 cw(c466.54,-17.13) 466.54,-0.98 C5.2@491.14,-0.98
NetC21_2: C21.2 R16.2 U5.3 | length 97.8
  Bottom Layer 1 w8: U5.3 150.79,-48.23 C21.2 R16.2
NetC24_1: C24.1 D4.A R21.1 U6.3 | length 152.3
  Top Layer 1 w8: C24.1 C24.1@2197.44,-72.83 ; U6.3 C24.1@2197.44,-72.83 ; R21.1 D4.A cw(c2222.44,-51.18) 2222.44,-72.83 C24.1@2197.44,-72.83
NetLED1_5: LED1.5 U4.21 | length 395.3
  Top Layer 1 w5: U4.21 966.54,-184.06 ccw(c975.39,-184.06) 975.39,-192.91 1044.63,-192.91 ccw(c1044.63,-169.97) 1060.85,-186.19 1181.59,-65.45 cw(c1206.54,-90.4) 1206.54,-55.12 LED1.5 v1(1285.43,-55.12)
NetLED1_6: LED1.6 R3.2 | length 78.7
  Top Layer 1 w6: LED1.6 v1(1285.43,-27.56)
  Bottom Layer 1 w6: v1(1285.43,-27.56) R3.2
NetQ1_1: Q1.1 R17.2 R19.2 | length 76.8
  Bottom Layer 1 w10: R17.2 R19.2 Q1.1
NetQ2_1: Q2.1 R23.2 | length 60
  Bottom Layer 1 w8: R23.2 Q2.1
NetQ2_3: Q2.3 R24.1 | length 61
  Bottom Layer 1 w12: Q2.3 R24.1
NetQ3_4: Q3.4 R20.1 R24.2 | length 151.8
  Bottom Layer 1 w12: R24.2 2302.17,73.03 Q3.4 ccw(c2386.81,104.53) 2418.31,104.53 R20.1
NetR4_1: R4.1 R7.1 U3.4 | length 90.7
  Bottom Layer 1 w12: R4.1 R7.1 375.39,32.48 U3.4
NetR5_2: R5.2 R6.2 U3.3 | length 91.3
  Bottom Layer 1 w12: U3.3 375.39,-101.38 375.98,-101.38 R5.2@415.35,-101.38
NetR8_2: R8.2 R25.1 U6.1 | length 966.1
  Top Layer 1 w5: v1(2081.69,-142.72) R25.1 2109.25,-44.29 ccw(c2109.25,-31.1) 2122.44,-31.1 U6.1
  Bottom Layer 1 w5: R8.2 1291.39,-153.59 1612.7,-153.59 ccw(c1612.7,-131.4) 1628.37,-147.11 cw(c1648.62,-167.32) 1663.61,-142.95 2081.46,-142.95 v1(2081.69,-142.72)
NetR17_1: R17.1 U4.18 | length 1027.9
  Top Layer 1 w5: U4.18 907.48,-181.53 ccw(c928.7,-181.53) 928.7,-202.76 1687.53,-202.76 ccw(c1687.53,-176.71) 1713.58,-176.71 v1(1713.58,-16.73)
  Bottom Layer 1 w5: v1(1713.58,-16.73) R17.1
NetR18_1: R18.1 U5.1 | length 55.8
  Bottom Layer 1 w10: R18.1 130.91,46.65 ccw(c150.39,46.65) U5.1
NetR23_1: R23.1 U4.11 | length 1672.1
  Top Layer 1 w5: U4.11 764.76,-88.58 cw(c764.76,-105.31) 781.5,-105.31 781.5,-188.98 ccw(c804.28,-188.98) 804.28,-211.76 2170.05,-211.76 ccw(c2170.05,-111.76) 2240.76,-182.47 v1(2246.06,-177.17)
  Bottom Layer 1 w5: v1(2246.06,-177.17) 2259.29,-163.93 ccw(c2222.33,-126.97) R23.1
NetR25_2: R25.2 R27.1 U6.4 | length 187.8
  Top Layer 1 w8: R25.2 R27.1 cw(c2087.6,20.67) 2087.6,26.57 2158.5,26.57 ccw(c2158.5,65.51) 2197.44,65.51 U6.4
NetU4_5: U4.5 Y1.1 | length 135
  Top Layer 1 w6: Y1.1 cw(c672.24,71.81) 713.58,71.81 713.58,49.69 ccw(c733.75,49.69) 733.75,29.53 U4.5
NetU4_6: U4.6 Y1.3 | length 80.1
  Top Layer 1 w6: Y1.3 ccw(c693.74,40.24) 693.74,9.84 U4.6
O_CS: LED1.7 U4.25 | length 214.9
  Top Layer 1 w5: U4.25 1109.52,-108.27 ccw(c1109.52,-73.1) 1134.38,-97.97 1182.86,-49.49 ccw(c1160.96,-27.59) 1191.93,-27.59 1191.93,-14.76 cw(c1206.69,-14.76) 1206.69,0 LED1.7
O_DC: LED1.9 U4.29 | length 206.5
  Top Layer 1 w5: U4.29 1138.28,-29.53 ccw(c1138.28,12.31) 1180.12,12.31 1180.12,33.46 cw(c1201.77,33.46) 1201.77,55.12 LED1.9@1233.71,55.12
O_RES: LED1.8 R13.2 U4.39 | length 407.5
  Top Layer 1 w5: U4.39 ccw(c1028.54,167.32) 1028.54,125 1119.09,125 cw(c1119.09,96.49) 1139.24,116.66 ; 1139.26,116.65 v1(1147.64,108.27)
  Mid 2 w5: v1(1147.64,108.27) 1204.72,108.27 cw(c1204.72,82.68) 1230.32,82.68 v1(1230.32,27.56)
  Bottom Layer 1 w5: R13.2 1097.93,99.9 cw(c1118.13,79.7) 1118.13,108.27 v1(1147.64,108.27)
P+: C23.1 PEN1.1 Q3.5 Q3.6 Q3.7 Q3.8 R21.2 | length 800.7
  Top Layer 1 w10: R21.2 2244.09,73.42 v2(2557.09,73.42)
  Bottom Layer 1 w22: Q3.8 2538.78,-76.97 v2(2513.78,-51.97) 2538.78,-26.97 ; Q3.7 2538.78,-26.97 ; Q3.6 2538.78,23.03 ; Q3.5 2538.78,73.03 v2(2513.78,48.03) 2538.78,23.03 ; 2538.78,-26.97 v2(2513.78,-1.97) 2538.78,23.03
  other v2: 2557.09,-76.58 2557.09,-26.58 2557.09,23.42
RESET: C13.1 R9.2 TP5.1 U4.7 | length 133.9
  Top Layer 1 w6: v1(706.69,-9.84) U4.7
  Bottom Layer 1 w15: TP5.1 763.13,-11.81 cw(c763.13,-25.25) R9.2
RX: TP7.1 U4.31 | length 76.6
  Top Layer 1 w6: U4.31 1087.6,6.89 1128.94,6.89 ccw(c1128.94,30.65) 1145.74,13.85 v1(1154.53,22.64)
SPI2_MISO: U2.3 U4.27 | length 196.2
  Top Layer 1 w5: v1(1057.09,-68.9) U4.27
  Bottom Layer 1 w5: U2.3 956.69,25.59 ccw(c970.47,25.59) 970.47,11.81 993.11,11.81 cw(c993.11,-11.95) 1009.91,4.85 1047.69,-32.93 cw(c1025.01,-55.61) 1057.09,-55.61 v1(1057.09,-68.9)
SPI2_MOSI: LED1.11 R14.1 U2.4 U4.28 U4.43 | length 871.9
  Top Layer 1 w5: v1(905.51,80.71) 910.43,85.63 910.43,164.37 U4.43 ; U4.28 1102.87,-49.21 cw(c1102.87,-69.38) v1(1117.13,-55.12) ; v1(1182.09,82.68) cw(c1209.65,82.68) 1209.65,110.24 LED1.11
  Mid 2 w5: v1(905.51,80.71) cw(c917.32,80.71) 917.32,92.52 943.9,92.52 cw(c943.9,66.54) 962.26,84.92 ; 962.26,84.91 1091.81,-44.63 ; 1091.82,-44.64 ccw(c1117.13,-19.31) v1(1117.13,-55.12) ccw(c1138.51,-33.73) 1138.51,-63.98 1183.07,-63.98 ccw(c1183.07,-55.12) 1191.93,-55.12 1191.93,58.92 ccw(c1158.32,58.92) v1(1182.09,82.68)
  Bottom Layer 1 w5: v1(905.51,80.71) cw(c917.32,80.71) 917.32,92.52 941.08,92.52 cw(c941.08,57.23) 976.38,57.23 U2.4 976.38,26.57 R14.1@1022.64,26.57
SPI2_SCK: LED1.10 R12.1 U2.1 U4.26 U4.42 | length 707.9
  Top Layer 1 w5: U4.42 924.21,164.37 924.21,96.19 ccw(c954.46,96.19) v1(933.07,74.8) ; U4.26 1102.87,-88.58 ccw(c1102.87,-68.42) v1(1117.13,-82.68)
  Mid 2 w5: v1(933.07,74.8) 946.36,74.8 cw(c946.36,42.72) 969.04,65.41 v1(1117.13,-82.68) cw(c1138.51,-104.06) 1138.51,-73.82 1187.01,-73.82 ccw(c1187.01,-59.06) 1201.77,-59.06 1201.77,58.92 cw(c1235.38,58.92) v1(1211.61,82.68)
  Bottom Layer 1 w5: R12.1 878.94,34.45 917.32,34.45 U2.1 917.32,47.85 cw(c944.38,47.85) 917.43,50.2 cw(c944.38,47.85) 925.24,66.97 v1(933.07,74.8)
SW: D1.A L1.2 U1.1
SWCLK: J1.B8 TP3.1 U4.37 | length 979
  Top Layer 1 w6: J1.B8 cw(c244.09,-14.27) 302.9,44.54 TP3.1 ccw(c307.09,60.04) 326.77,60.04 326.77,187.01 cw(c352.14,187.01) 352.14,212.38 1005.91,212.38 cw(c1005.91,192.69) 1025.59,192.69 U4.37
SWDIO: J1.A8 TP2.1 U4.34 | length 1131
  Top Layer 1 w6: J1.A8 256.88,-49.21 ccw(c256.88,53.16) 359.25,53.16 359.25,131.89 cw(c379.92,131.89) v1(379.92,152.56) ; v1(348.4,190.92) cw(c375.36,163.96) 375.36,202.09 718.76,202.09 cw(c718.76,160.69) 748.03,189.96 837.9,100.09 ccw(c948.47,210.66) 948.47,54.29 1048.23,54.29 ccw(c1048.23,71.3) 1060.26,59.27 1065.07,64.09 cw(c1076.69,52.47) 1076.69,68.9 U4.34
  Bottom Layer 1 w6: v1(348.4,190.92) v1(379.92,152.56)
TX: TP6.1 U4.30 | length 61
  Top Layer 1 w6: U4.30 v1(1145.67,-9.84)
VUSB: C11.2 J1.A4 J1.A9 J1.B4 J1.B9 Q3.1 Q3.2 Q3.3 R4.2 R16.1 R20.2 R22.2 U3.5 | length 469.5
  Top Layer 1 w12: J1.B4 284.45,-88.58 v3(290.35,-94.49) 284.45,-100.39 J1.A9 ; J1.B9 284.45,88.58 v3(290.35,94.49) 284.45,100.39 J1.A4
  Bottom Layer 1 w10: v3(290.35,-94.49) 290.35,-105.31 ccw(c340.55,-105.31) R22.2
  Bottom Layer 1 w50: v3(290.35,-94.49) v3(290.35,94.49)
  other v2: 2426.18,-74.8 2465.55,-53.15 2426.18,-31.5 2465.55,-9.84 2426.18,11.81
pads on no net: LED1.1 LED1.13 LED1.14 LED1.15 LED3.1 U2.5 U4.2 U4.3 U4.4 U4.14

## Polygon pours and split planes (outlines as drawn)
GND on Bottom Layer 1 "NONET_L04_P-001" (solid, remove dead copper, pour order 36): -51.18,-206.69 ccw(c-31.5,-206.69) -31.5,-226.38 2854.33,-226.38 ccw(c2854.33,-206.69) 2874.02,-206.69 2874.02,-137.8 3358.27,-137.8 ccw(c3358.27,-118.11) 3377.95,-118.11 3377.95,118.11 ccw(c3358.27,118.11) 3358.27,137.8 2874.02,137.8 2874.02,206.69 ccw(c2854.33,206.69) 2854.33,226.38 -31.5,226.38 ccw(c-31.5,206.69) -51.18,206.69
no net on Bottom Layer 1 "NONET_L-01_P-001" (solid, remove dead copper, pour order 22): 0,-146.65 0,-226.38 2874.02,-226.38 2874.02,-137.8 3377.95,-137.8 3377.95,59.06 3274.61,59.06 3274.61,-59.06 2889.76,-59.06 2745.08,-203.74 312.01,-203.74 254.92,-146.65
no net on Bottom Layer 1 "NONET_L04_P-001" (solid, remove dead copper, pour order 35): 256.89,-146.65 44.29,-146.65 44.29,145.67 256.89,145.67 256.89,226.38 -32.48,226.38 ccw(c-32.48,207.68) -51.18,207.68 -51.18,-207.68 ccw(c-32.48,-207.68) -32.48,-226.38 256.89,-226.38
VUSB on Bottom Layer 1 "NONET_L-01_P-001" (solid, remove dead copper, pour order 24): 315.94,-94.49 315.94,75.79 cw(c323.82,75.79) 323.82,83.66 394.15,83.66 cw(c393.43,76.51) 400.59,75.79 400.59,24.61 426.18,24.61 426.18,115.16 cw(c484.25,115.16) 484.25,173.23 2399.61,173.23 cw(c2399.61,139.77) 2433.07,139.76 2433.07,59.06 cw(c2410.44,59.05) 2410.43,36.42 2353.35,36.42 2353.35,-92.22 2469.78,-92.22 ccw(c2469.78,-75.79) 2486.22,-75.79 2486.22,187.01 ccw(c2456.7,187.02) 2456.69,216.54 427.17,216.54 ccw(c426.66,185.54) 395.67,186.02 395.67,154.53 cw(c379.93,154.52) 379.92,138.78 305.12,138.78 ccw(c305.12,98.43) 264.76,98.43 264.76,-94.49
3V3 on Bottom Layer 1 "3V3_L04_P020" (solid, remove dead copper, pour order 20): 1618.11,45.28 1618.11,-107.28 1687.99,-107.28 1687.99,26.57 1669.29,45.28
NetC5_1 on Bottom Layer 1 "NETC5_1_L04_P019" (solid, remove dead copper, pour order 19): 439.96,74.8 439.96,24.61 504.92,24.61 510.83,18.7 510.83,-53.15 550.2,-53.15 558.07,-45.28 558.07,92.52 550.2,100.39 465.55,100.39
SW on Bottom Layer 1 "SW_L04_P018" (solid, remove dead copper, pour order 18): 1568.9,-104.33 1568.9,45.28 1492.13,45.28 1479.33,32.48 1479.33,-66.93 1516.73,-104.33
P+ on Bottom Layer 1 "NONET_L-01_P-001" (solid, remove dead copper, pour order 4): 2494.09,74.8 cw(c2508.86,74.8) 2508.86,89.57 2628.94,89.57 2628.94,-92.52 2508.86,-92.52 cw(c2508.86,-77.76) 2494.09,-77.76
no net on Bottom Layer 1 "NONET_L-01_P-001" (solid, remove dead copper, pour order 9): 3274.61,-126.97 3274.61,59.06 3368.11,59.06 3368.11,-126.97
GND on Top Layer 1 "NONET_L04_P-001" (solid, remove dead copper, pour order 39): -51.18,-206.69 ccw(c-31.5,-206.69) -31.5,-226.38 2854.33,-226.38 ccw(c2854.33,-206.69) 2874.02,-206.69 2874.02,-137.8 3358.27,-137.8 ccw(c3358.27,-118.11) 3377.95,-118.11 3377.95,118.11 ccw(c3358.27,118.11) 3358.27,137.8 2874.02,137.8 2874.02,206.69 ccw(c2854.33,206.69) 2854.33,226.38 -31.5,226.38 ccw(c-31.5,206.69) -51.18,206.69
no net on Top Layer 1 "NONET_L04_P-001" (solid, remove dead copper, pour order 31): 256.89,-146.65 44.29,-146.65 44.29,145.67 256.89,145.67 256.89,226.38 -32.48,226.38 ccw(c-32.48,207.68) -51.18,207.68 -51.18,-207.68 ccw(c-32.48,-207.68) -32.48,-226.38 256.89,-226.38
no net on Top Layer 1 "NONET_L-01_P-001" (solid, remove dead copper, pour order 2): 3255.91,59.06 3255.91,-126.97 3368.11,-126.97 3368.11,59.06
P+ on Top Layer 1 "NONET_L-01_P-001" (solid, remove dead copper, pour order 14): 2511.81,-99.41 cw(c2512.75,-80.66) 2494,-79.72 2494,78.54 cw(c2511.81,78.55) 2511.81,96.35 2785.43,96.35 2785.43,-99.41
GND on Mid 2 "NONET_L04_P-001" (solid, remove dead copper, pour order 37): -51.18,-206.69 ccw(c-31.5,-206.69) -31.5,-226.38 2854.33,-226.38 ccw(c2854.33,-206.69) 2874.02,-206.69 2874.02,-137.8 3358.27,-137.8 ccw(c3358.27,-118.11) 3377.95,-118.11 3377.95,118.11 ccw(c3358.27,118.11) 3358.27,137.8 2874.02,137.8 2874.02,206.69 ccw(c2854.33,206.69) 2854.33,226.38 -31.5,226.38 ccw(c-31.5,206.69) -51.18,206.69
no net on Mid 2 "NONET_L04_P-001" (solid, remove dead copper, pour order 34): 256.89,-146.65 44.29,-146.65 44.29,145.67 256.89,145.67 256.89,226.38 -32.48,226.38 ccw(c-32.48,207.68) -51.18,207.68 -51.18,-207.68 ccw(c-32.48,-207.68) -32.48,-226.38 256.89,-226.38
VUSB on Mid 2 "NONET_L-01_P-001" (solid, remove dead copper, pour order 29): 264.76,-120.08 264.76,94.49 cw(c386.81,94.49) 386.81,216.54 2456.69,216.54 cw(c2456.69,187.01) 2486.22,187.01 2486.22,-81.68 cw(c2475.67,-81.68) 2475.67,-92.22 2353.35,-92.22 2353.35,69.88 ccw(c2250,69.88) 2250,173.23 511.81,173.23 ccw(c511.81,62.01) 400.59,62.01 400.59,-120.08
GND on Mid 1 "NONET_L04_P-001" (solid, remove dead copper, pour order 38): -51.18,-206.69 ccw(c-31.5,-206.69) -31.5,-226.38 2854.33,-226.38 ccw(c2854.33,-206.69) 2874.02,-206.69 2874.02,-137.8 3358.27,-137.8 ccw(c3358.27,-118.11) 3377.95,-118.11 3377.95,118.11 ccw(c3358.27,118.11) 3358.27,137.8 2874.02,137.8 2874.02,206.69 ccw(c2854.33,206.69) 2854.33,226.38 -31.5,226.38 ccw(c-31.5,206.69) -51.18,206.69
no net on Mid 1 "NONET_L04_P-001" (solid, remove dead copper, pour order 33): 256.89,-146.65 44.29,-146.65 44.29,145.67 256.89,145.67 256.89,226.38 -32.48,226.38 ccw(c-32.48,207.68) -51.18,207.68 -51.18,-207.68 ccw(c-32.48,-207.68) -32.48,-226.38 256.89,-226.38

## Keep-outs
Keep-Out Layer:
  the board outline again, w8

## Other copper
Top Layer 1:
  text "1: .Layer_Name" at 499.7,-325.62 h32
Mid 1:
  text "2: .Layer_Name" at 499.7,-330.96 h32
Mid 2:
  text "3: .Layer_Name" at 499.7,-330.96 h32
Bottom Layer 1:
  text "4: .Layer_Name" at 499.7,-325.62 h32

## Silkscreen, mask and mechanical layers (free items; w line width, h text height)
Top Solder:
  rectangle: -31.5,-192.91 19.69,192.91
  rectangle: 2275.59,-226.38 2314.96,51.18
  rectangle: 2275.59,98.43 2314.96,226.38
  lines w8: 440.94,-210.63 440.94,-0.98 ; 1370.08,-80.71 1370.08,154.53
  text "U" at 1485.4,125.74 h32
  text "M" at 1721.62,125.74 h32
  text "D" at 1958.34,125.74 h32
  text "D" at 416.5,118.85 h32
  text "G" at 486.38,24.36 h32
  text "P+" at 2609.17,-15.99 h32
  text "P-" at 2963.5,-15.99 h32
  text "C" at 362.37,-38.63 h32
  text "V" at 599.57,-155.76 h32
Bottom Solder:
  text "Leon" at 2723.41,118.2 h120 r90
  text "Red" at 2812.98,118.2 h120 r90
  text "R" at 1279.36,39.12 h32
  text "R" at 693.73,29.28 h32
  text "St1x" at 3212.61,15.66 h140
  text "T" at 1249.84,-48.48 h32
Mechanical 1:
  circle w5: c196.06,-113.78 r12.8
  circle w5: c196.06,113.78 r12.8
  lines w8: -51.18,-206.69 ccw(c-31.5,-206.69) -31.5,-226.38 2854.33,-226.38 ccw(c2854.33,-206.69) 2874.02,-206.69 2874.02,-137.8 3358.27,-137.8 ccw(c3358.27,-118.11) 3377.95,-118.11 3377.95,118.11 ccw(c3358.27,118.11) 3358.27,137.8 2874.02,137.8 2874.02,206.69 ccw(c2854.33,206.69) 2854.33,226.38 -31.5,226.38 ccw(c-31.5,206.69) -51.18,206.69 -51.18,-206.69
Top 3D Body:
  lines w8: 247.05,-9.84 325.79,-9.84 ; 440.94,-244.09 440.94,244.09 1370.08,244.09 1370.08,-244.09 440.94,-244.09
Bottom 3D Body:
  lines w1: -0.31,-216.18 -0.31,216.89
Top Assembly:
  drawing of 22363 lines, arcs and shapes, not listed